# Altium PCB 10515.0462_全联供主板(2拼版)_V1.0.PcbDoc (part 4 of 18)
Units mm, origin at the board's own origin, x right, y up, seen from the top; angles counter-clockwise.
Board outline 282 x 198 mm, 2 copper layers (Top Layer, Bottom Layer); 716 components, 0 nets, 2364 pads, 1800 vias.
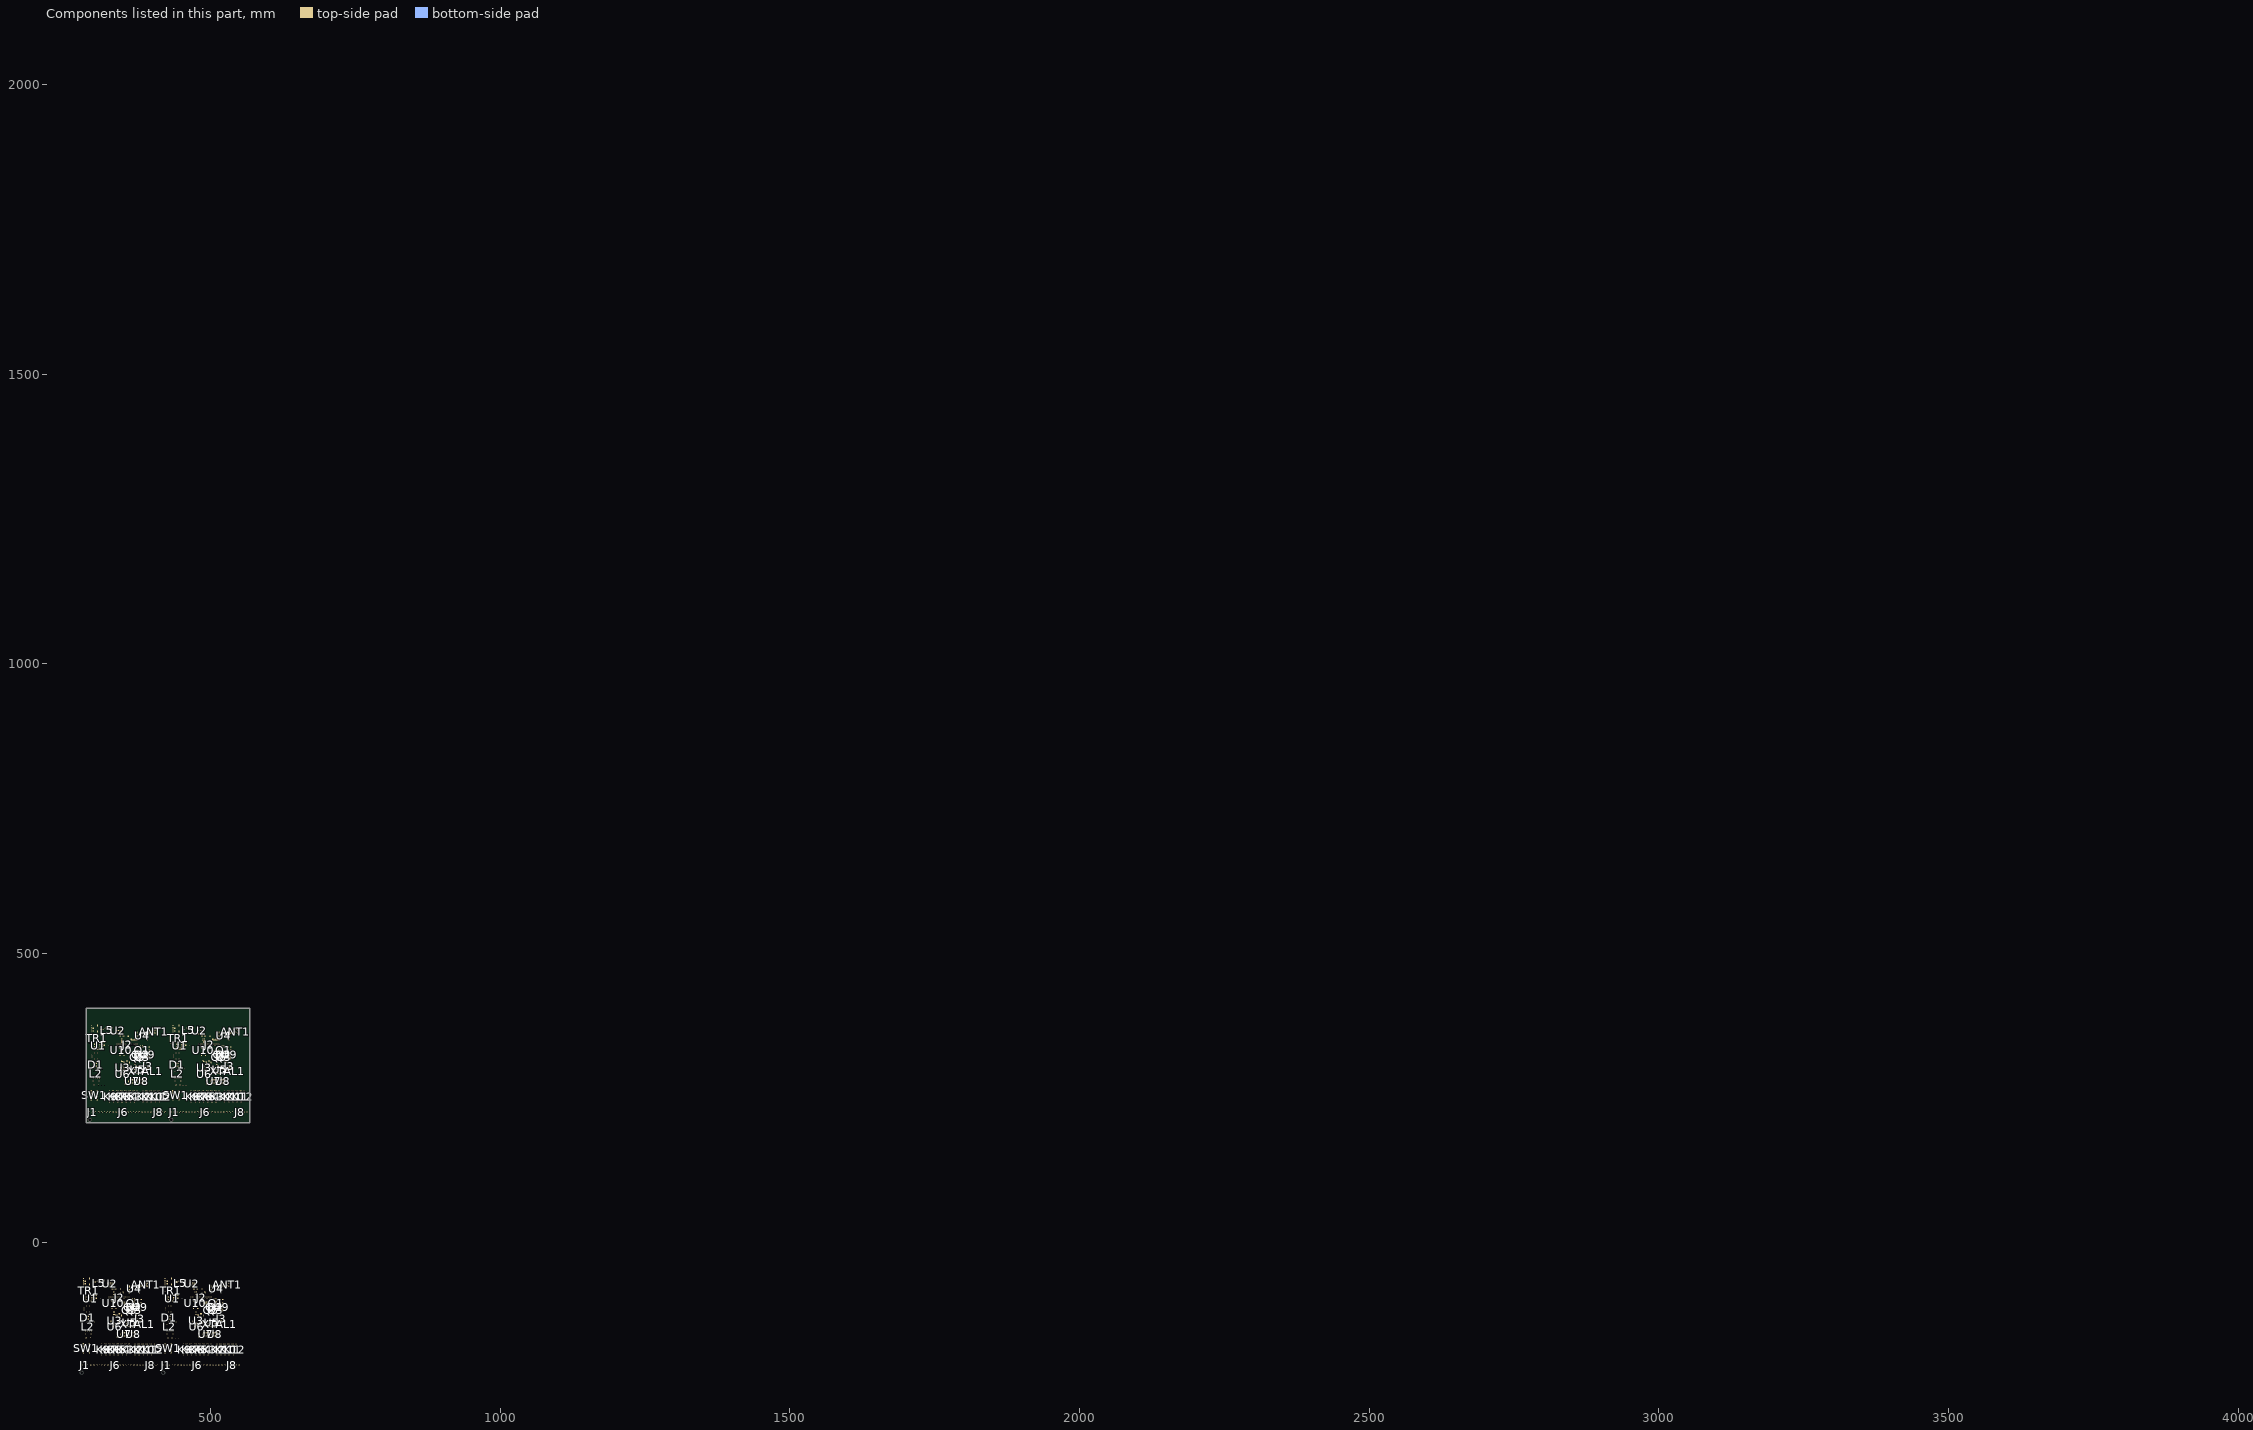
[diagram p4: the components of this part, seen from the top]

## Via types
v1: diameter 0.7, hole 0.4, Top Layer to Bottom Layer, tented both sides, 1800 vias

## Nets (pads, with @x,y where several pads share a name; then routed paths per layer and width w, separated by ;. In a path a pad name is that pad's centre, name@x,y a point inside that pad or via, vN(x,y) a via of type N, cw(c..) or ccw(c..) an arc to the next point about the centre after c; other vN are vias at no path point) (continued)
copper on no net: (continued)
  Top Layer w0.2: 384.544,295.781 ccw(c384.991,296.229) 384.991,295.596 ; 384.653,297.574 cw(c384.653,297.003) 385.057,297.407 ; 384.917,-74.482 385.033,-74.482 ; 385.228,311.309 cw(c384.705,310.786) 385.445,310.786 cw(c386.185,310.786) 385.662,311.309 ; 385.228,312.998 ccw(c384.705,312.475) 384.705,313.215 ccw(c384.705,313.955) 385.228,313.432 ; 385.297,295.69 cw(c385.792,295.69) 385.442,296.039 ; 385.437,322.933 cw(c384.697,322.194) 385.74,322.114 ; 385.629,320.162 cw(c385.106,319.639) 385.846,319.639 cw(c386.586,319.639) 386.063,320.162 ; 385.744,322.625 cw(c385.269,322.15) 385.939,322.099 ; 385.754,322.398 ccw(c385.714,322.523) 385.846,322.523 ccw(c385.978,322.523) 385.938,322.398 ; 386.411,301.303 387.841,301.303 ; 387.026,320.162 cw(c386.548,319.684) 387.224,319.684 ; 387.042,322.337 ccw(c386.66,322.777) 387.243,322.777 ccw(c387.826,322.777) 387.444,322.337 ; 387.224,319.594 cw(c388.028,319.594) 387.46,320.162 ; 387.587,301.086 ccw(c387.063,300.563) 387.063,301.303 ccw(c387.063,302.043) 387.587,301.52 ; 388.212,318.92 cw(c388.987,318.145) 389.077,319.238 ; 388.517,319.226 cw(c389.034,318.709) 389.094,319.437 ; 388.793,319.294 ccw(c388.674,319.258) 388.674,319.382 ; 388.793,319.471 cw(c388.674,319.507) 388.674,319.382 ; 388.819,295.758 ccw(c388.711,296.025) 388.999,296.025 ; v1@388.916,316.625 cw(c388.554,316.235) 389.086,316.235 ; 388.999,295.193 388.999,296.025 ; v1(389.086,316.808) 389.086,316.235 ; 389.086,319.382 388.673,319.382 ; 389.178,295.758 cw(c389.287,296.025) 388.999,296.025 ; v1@389.256,316.625 ccw(c389.618,316.235) 389.086,316.235 ; 389.53,301.341 389.492,301.303 391.277,301.303 ; 389.53,302.947 389.53,303.074 ; 389.656,348.23 cw(c392.417,348.23) 390.465,350.183 ; 389.656,348.713 cw(c391.935,348.713) 390.323,350.324 ; 389.656,349.196 cw(c391.452,349.196) 390.182,350.465 ; 389.656,349.678 cw(c390.969,349.678) 390.04,350.607 ; 389.747,301.086 cw(c390.27,300.563) 390.27,301.303 cw(c390.27,302.043) 389.747,301.52 ; 389.788,350.395 cw(c389.29,350.305) 389.648,349.948 cw(c389.986,349.609) 390.093,350.076 ; 389.833,352.27 ccw(c389.499,352.082) 389.499,352.465 ; 389.833,352.661 cw(c389.499,352.849) 389.499,352.465 ; 389.899,354.183 ccw(c389.216,353.5) 389.216,354.465 ccw(c389.216,355.431) 389.899,354.748 ; 389.899,356.183 ccw(c389.216,355.5) 389.216,356.465 ccw(c389.216,357.431) 389.899,356.748 ; 390.632,352.465 389.499,352.465 ; 390.632,354.465 389.213,354.465 388.767,354.019 388.767,347.288 388.132,346.653 352.572,346.653 352.11,346.191 352.11,345.175 ; 391.023,301.086 ccw(c390.499,300.563) 390.499,301.303 ccw(c390.499,302.043) 391.023,301.52 ; 391.312,302.838 391.312,302.897 391.312,303.024 ; 391.966,317.476 cw(c391.443,316.953) 392.183,316.953 cw(c392.923,316.953) 392.4,317.476 ; 392.183,317.731 392.183,316.415 391.815,316.046 389.275,316.046 389.086,316.235 ; 393.515,317.476 cw(c392.992,316.953) 393.731,316.953 cw(c394.471,316.953) 393.948,317.476 ; 394.558,303.251 ccw(c393.705,304.104) 394.912,304.104 ccw(c396.119,304.104) 395.265,303.251 ; 394.658,304.951 cw(c394.044,304.338) 394.912,304.338 ; 394.7,303.109 ccw(c394.188,303.621) 394.912,303.621 ccw(c395.636,303.621) 395.124,303.109 ; 394.912,303.024 394.912,305.078 ; 394.912,303.217 cw(c397.363,303.217) 395.63,304.951 ; 394.912,303.7 cw(c396.881,303.7) 395.488,305.092 ; 394.912,304.183 cw(c396.398,304.183) 395.347,305.234 ; 394.912,304.666 cw(c395.915,304.666) 395.206,305.375 ; 395.042,364.769 395.182,364.628 395.208,364.654 ; v1@396.046,362.114 v1@396.26,362.114 ; 398.546,362.114 398.661,362.114 ; 464.372,-67.652 464.436,-67.652 ; 464.712,-72.355 ccw(c464.616,-72.151) 464.841,-72.151 ; 464.801,-72.683 cw(c465.172,-72.444) 464.86,-72.132 ; 464.841,-72.632 464.841,-72.151 ; 464.969,-72.575 cw(c465.386,-72.307) 465.036,-71.957 ; 464.971,-72.355 cw(c465.066,-72.151) 464.841,-72.151 ; 465.137,-72.467 cw(c465.6,-72.17) 465.211,-71.781 ; 465.458,-70.292 466.105,-70.292 466.481,-70.668 466.481,-71.4 466.1,-71.781 465.211,-71.781 ; 465.458,-68.992 466.095,-68.992 ; 465.858,-70.392 cw(c465.858,-71.23) 466.451,-70.638 ; 465.858,-70.192 cw(c465.858,-70.547) 466.109,-70.296 ; 465.891,-68.898 ccw(c466.015,-68.549) 466.276,-68.811 ; 465.91,-70.378 cw(c466.045,-70.599) 466.229,-70.416 ; 465.929,-70.363 cw(c466.099,-70.534) 466.099,-70.292 cw(c466.099,-70.051) 465.929,-70.222 ; 465.93,-69.062 cw(c466.095,-69.223) 466.095,-68.992 ; 465.93,-68.922 ccw(c466.095,-68.762) 466.095,-68.992 ; 466.06,-67.869 cw(c465.537,-68.392) 466.277,-68.392 cw(c467.016,-68.392) 466.493,-67.869 ; 466.277,-67.652 466.277,-68.811 ; v1@467.024,-70.292 468.204,-70.292 ; v1@467.166,-70.434 cw(c467.508,-70.776) 467.508,-70.292 ; v1@467.166,-70.08 ccw(c467.678,-69.568) 467.678,-70.292 ; 467.239,-68.483 ccw(c466.408,-67.652) 467.583,-67.652 ; 467.58,-68.142 ccw(c467.09,-67.652) 467.783,-67.652 ; 467.674,-68.048 cw(c467.889,-68.263) 467.889,-67.959 ; 467.733,-70.363 ccw(c467.563,-70.534) 467.563,-70.292 ccw(c467.563,-70.051) 467.733,-70.222 ; 467.733,-69.713 ccw(c467.563,-69.884) 467.563,-69.642 ccw(c467.563,-69.401) 467.733,-69.572 ; 467.928,-67.652 467.928,-67.795 467.116,-68.606 467.116,-69.368 467.39,-69.642 468.204,-69.642 469.503,-69.642 470.519,-70.658 ; 468.243,-136.468 468.274,-136.499 ; 468.675,-69.713 cw(c468.845,-69.884) 468.845,-69.642 cw(c468.845,-69.401) 468.675,-69.572 ; 469.786,-134.848 469.817,-134.848 469.892,-134.923 ; 469.817,-136.499 470.123,-136.193 ; 469.974,-70.112 cw(c469.367,-70.718) 470.225,-70.718 ; 470.091,-70.23 ccw(c470.531,-69.79) 470.531,-70.412 ; 470.277,-68.852 470.412,-68.987 470.531,-69.106 ; 478,368.943 478.065,368.943 ; 478.34,364.241 ccw(c478.245,364.445) 478.47,364.445 ; 478.43,363.913 cw(c478.801,364.151) 478.489,364.463 ; 478.46,-146.854 483.91,-146.854 484.314,-146.449 484.314,-140.308 484.601,-140.021 490.899,-140.021 ; 478.46,-145.584 483.402,-145.584 483.914,-145.071 483.914,-142.393 ; 478.47,363.963 478.47,364.445 ; 478.598,364.021 cw(c479.015,364.289) 478.664,364.639 ; 478.6,364.241 cw(c478.695,364.445) 478.47,364.445 ; 478.766,364.129 cw(c479.228,364.426) 478.84,364.814 ; 479.087,366.303 479.734,366.303 480.11,365.927 480.11,365.195 479.729,364.814 478.84,364.814 478.47,364.445 ; 479.087,367.603 479.724,367.603 ; 479.481,-91.369 479.481,-91.42 ; 479.487,366.203 cw(c479.487,365.365) 480.079,365.958 ; 479.487,366.403 cw(c479.487,366.048) 479.738,366.299 ; 479.52,367.698 ccw(c479.643,368.047) 479.905,367.785 ; 479.539,366.218 cw(c479.674,365.996) 479.857,366.18 ; 479.557,366.233 cw(c479.728,366.062) 479.728,366.303 cw(c479.728,366.545) 479.557,366.374 ; 479.558,367.534 cw(c479.724,367.373) 479.724,367.603 ; 479.558,367.673 ccw(c479.724,367.834) 479.724,367.603 ; 479.57,-146.998 cw(c479.919,-147.348) 479.919,-146.854 cw(c479.919,-146.359) 479.57,-146.709 ; 479.57,-145.728 cw(c479.919,-146.078) 479.919,-145.584 cw(c479.919,-145.089) 479.57,-145.439 ; 479.689,368.727 cw(c479.166,368.204) 479.905,368.204 cw(c480.645,368.204) 480.122,368.727 ; 479.905,368.943 479.905,367.785 ; v1@480.075,-108.463 ccw(c479.621,-108.425) 479.943,-108.103 ; 480.128,-93.967 cw(c480.738,-94.576) 480.805,-93.717 ; v1@480.303,-108.235 cw(c480.265,-107.781) 479.943,-108.103 ; 480.31,-93.785 ccw(c480.043,-93.517) 480.421,-93.517 ; v1(480.324,-108.484) 479.943,-108.103 ; 480.538,-96.34 cw(c479.252,-97.627) 481.071,-97.627 ; v1@480.653,366.303 481.833,366.303 ; 480.68,-96.199 cw(c479.734,-97.144) 481.071,-97.144 ; v1@480.795,366.162 cw(c481.136,365.82) 481.136,366.303 ; v1@480.795,366.515 ccw(c481.306,367.027) 481.306,366.303 ; 480.821,-96.057 cw(c480.217,-96.661) 481.071,-96.661 ; 480.821,-95.795 481.071,-96.046 481.071,-108.469 481.428,-108.825 492.314,-108.825 492.903,-109.414 492.903,-126.264 492.914,-126.264 493.278,-126.629 498.609,-126.629 499.272,-127.291 499.272,-131.621 ; 480.821,-93.255 480.821,-93.274 479.943,-94.152 479.943,-108.103 ; 480.867,368.112 ccw(c480.036,368.943) 481.212,368.943 ; 480.918,-134.923 480.993,-134.848 ; 481.209,368.454 ccw(c480.719,368.943) 481.412,368.943 ; 481.303,368.548 cw(c481.518,368.333) 481.518,368.637 ; 481.362,366.233 ccw(c481.191,366.062) 481.191,366.303 ccw(c481.191,366.545) 481.362,366.374 ; 481.362,366.883 ccw(c481.191,366.712) 481.191,366.953 ccw(c481.191,367.195) 481.362,367.024 ; v1@481.544,-107.545 ccw(c481.118,-107.118) 481.721,-107.118 ccw(c482.325,-107.118) v1@481.898,-107.545 ; 481.556,368.943 481.556,368.801 480.745,367.989 480.745,367.227 481.019,366.953 481.833,366.953 483.132,366.953 484.148,365.938 ; v1(481.721,-110.389) 481.721,-110.77 ; v1(481.721,-107.722) 481.721,-90.958 482.337,-90.342 515.865,-90.342 516.538,-89.669 516.538,-84.462 516.87,-84.13 ; 481.872,300.128 481.903,300.097 ; 482.303,366.883 cw(c482.474,366.712) 482.474,366.953 cw(c482.474,367.195) 482.303,367.024 ; v1@482.36,-107.214 ccw(c481.757,-107.214) 482.183,-106.787 ccw(c482.61,-106.36) v1@482.61,-106.964 ; v1(482.61,-107.214) 482.121,-106.725 482.121,-92.101 482.121,-91.339 482.718,-90.742 516.354,-90.742 517.027,-90.069 517.027,-86.64 517.537,-86.13 518.003,-86.13 ; v1(482.737,-110.389) 482.864,-110.262 491.269,-110.262 491.703,-110.697 491.703,-132.646 491.701,-132.648 491.701,-133.85 491.703,-133.852 491.703,-134.573 492.152,-135.021 495.372,-135.021 ; v1@482.772,-110.424 cw(c483.164,-110.816) 483.164,-110.262 ; v1@482.914,-110.566 cw(c483.647,-111.299) 483.647,-110.262 ; 483.078,-96.34 cw(c482.395,-97.023) 483.361,-97.023 cw(c484.327,-97.023) 483.644,-96.34 ; v1@483.122,-91.593 cw(c482.519,-91.593) 482.945,-92.02 cw(c483.372,-92.447) v1@483.372,-91.843 ; v1@483.195,-107.545 ccw(c482.769,-107.118) 483.372,-107.118 ccw(c483.976,-107.118) v1@483.549,-107.545 ; 483.361,-95.795 483.361,-106.314 484.022,-106.975 484.022,-107.864 484.584,-108.425 492.966,-108.425 493.303,-108.763 493.303,-125.756 493.684,-126.137 498.999,-126.137 499.772,-126.91 499.772,-131.621 ; 483.361,-93.255 484.161,-94.055 484.161,-106.467 484.422,-106.728 484.422,-107.698 484.749,-108.025 493.131,-108.025 493.703,-108.597 493.703,-125.292 494.04,-125.629 499.499,-125.629 500.272,-126.402 500.272,-131.621 ; v1(483.372,-107.722) 483.372,-106.96 482.521,-106.109 482.521,-92.444 v1(483.372,-91.593) ; 483.395,-93.715 cw(c483.515,-94.417) 484.019,-93.913 ; 483.415,301.748 483.446,301.748 483.52,301.673 ; 483.446,300.097 483.752,300.403 ; 483.602,366.483 cw(c482.996,365.877) 483.853,365.877 ; 483.72,366.366 ccw(c484.16,366.806) 484.16,366.183 ; v1@483.753,-112.036 cw(c483.753,-112.64) 484.18,-112.213 cw(c484.607,-111.786) v1@484.003,-111.786 ; v1(483.753,-111.786) 484.403,-112.436 485.658,-112.436 485.908,-112.186 490.249,-112.186 490.503,-112.44 490.503,-132.149 490.501,-132.151 490.501,-134.347 490.503,-134.349 490.503,-135.139 491.886,-136.521 495.372,-136.521 ; 483.761,-93.517 ccw(c484.094,-93.517) 483.859,-93.753 ; 483.906,367.744 484.041,367.608 484.16,367.49 ; 483.914,-141.134 483.914,-142.393 ; v1@484.465,-92.278 cw(c484.039,-92.705) 484.642,-92.705 cw(c485.246,-92.705) v1@484.819,-92.278 ; v1(484.642,-92.101) 484.642,-106.383 485.101,-106.842 ; v1@484.973,-107.164 ccw(c484.665,-106.856) 485.101,-106.856 ; v1(485.023,-111.786) 490.738,-111.786 490.903,-111.951 490.903,-132.315 490.901,-132.317 490.901,-134.181 490.903,-134.183 490.903,-134.973 491.951,-136.021 495.372,-136.021 ; v1(485.15,-107.341) 485.101,-107.292 485.101,-106.842 ; v1@485.2,-111.963 cw(c485.627,-112.39) 485.627,-111.786 cw(c485.627,-111.182) v1@485.2,-111.609 ; 485.212,-93.944 cw(c485.778,-94.51) 485.876,-93.716 ; v1@485.268,-107.121 cw(c485.417,-106.842) 485.101,-106.842 ; 485.403,-93.753 ccw(c485.168,-93.517) 485.501,-93.517 ; 485.617,-136.435 485.642,-136.461 ; 485.618,-96.34 cw(c484.935,-97.023) 485.901,-97.023 cw(c486.867,-97.023) 486.184,-96.34 ; 485.901,-95.795 485.901,-106.441 486.686,-107.225 494.179,-107.225 494.503,-107.55 494.503,-124.403 494.929,-124.829 500.461,-124.829 501.272,-125.64 501.272,-131.621 ; 485.901,-93.255 485.054,-94.103 485.054,-106.228 486.451,-107.625 493.69,-107.625 494.103,-108.039 494.103,-124.911 494.421,-125.229 499.98,-125.229 500.772,-126.021 500.772,-131.621 ; v1@486.293,-112.929 v1(486.547,-112.929) 489.468,-112.929 490.103,-113.564 490.103,-131.984 490.101,-131.986 490.101,-134.512 490.103,-134.514 490.103,-135.386 491.739,-137.021 495.372,-137.021 ; v1@486.678,-106.452 ccw(c486.075,-106.452) 486.501,-106.025 ccw(c486.928,-105.598) v1@486.928,-106.202 ; v1@486.724,-113.106 cw(c487.151,-113.533) 487.151,-112.929 cw(c487.151,-112.325) v1@486.724,-112.752 ; v1@486.751,-92.278 cw(c486.325,-92.705) 486.928,-92.705 cw(c487.532,-92.705) v1@487.105,-92.278 ; v1(486.928,-106.452) 486.42,-105.944 486.42,-97.17 486.928,-96.662 v1(486.928,-92.101) ; 487.102,-136.461 487.127,-136.461 ; 487.187,-138.115 cw(c486.504,-138.798) 487.47,-138.798 cw(c488.436,-138.798) 487.753,-138.115 ; 487.47,-137.832 487.47,-138.848 487.654,-139.032 495.361,-139.032 495.372,-139.021 ; 488.436,-153.924 ccw(c488.009,-153.497) 488.613,-153.497 ccw(c489.217,-153.497) 488.79,-153.924 ; 488.507,-136.097 488.833,-136.424 490.507,-136.424 491.604,-137.521 495.372,-137.521 ; 488.613,-154.85 488.613,-150.278 489.267,-149.624 497.757,-149.624 498.272,-149.109 498.272,-143.921 ; 488.897,-105.537 cw(c488.374,-106.06) 489.114,-106.06 cw(c489.854,-106.06) 489.331,-105.537 ; 488.994,-137.832 488.994,-138.285 489.341,-138.632 494.118,-138.632 494.229,-138.521 495.372,-138.521 ; 489.058,-136.652 cw(c489.609,-137.203) 489.609,-136.424 ; 489.058,-136.219 ccw(c489.554,-135.723) 489.554,-136.424 ; 489.114,-105.32 489.114,-106.471 489.468,-106.825 494.515,-106.825 494.903,-107.214 494.903,-124.105 495.227,-124.429 501.069,-124.429 501.772,-125.132 501.772,-131.621 ; 489.114,-103.669 v1@489.756,-103.669 ; 489.399,-103.85 cw(c489.756,-104.111) v1@489.756,-103.669 ; 489.399,-103.489 ccw(c489.756,-103.228) v1@489.756,-103.669 ; 489.706,-153.924 ccw(c489.279,-153.497) 489.883,-153.497 ccw(c490.487,-153.497) 490.06,-153.924 ; v1@489.706,-103.846 ccw(c489.279,-104.273) 489.279,-103.669 ccw(c489.279,-103.066) v1@489.706,-103.493 ; 489.883,-154.85 489.883,-150.786 490.645,-150.024 498.138,-150.024 498.772,-149.39 498.772,-143.921 ; 490.682,-141.238 ccw(c490.159,-140.715) 490.899,-140.715 ccw(c491.639,-140.715) 491.116,-141.238 ; 490.707,-138.021 495.372,-138.021 ; 490.899,-141.492 490.899,-140.021 ; 490.976,-153.924 ccw(c490.549,-153.497) 491.153,-153.497 ccw(c491.757,-153.497) 491.33,-153.924 ; 491.153,-154.85 491.153,-151.167 491.845,-150.475 498.703,-150.475 499.272,-149.906 499.272,-143.921 ; 492.089,289.742 497.539,289.742 497.943,290.146 497.943,296.287 498.229,296.574 504.528,296.574 ; 492.089,291.012 497.031,291.012 497.543,291.524 497.543,294.202 ; 492.246,-153.924 ccw(c491.819,-153.497) 492.423,-153.497 ccw(c493.027,-153.497) 492.6,-153.924 ; 492.423,-154.85 492.423,-151.421 492.969,-150.875 499.192,-150.875 499.772,-150.295 499.772,-143.921 ; 492.46,-105.537 cw(c491.937,-106.06) 492.677,-106.06 cw(c493.417,-106.06) 492.894,-105.537 ; 492.632,-101.941 v1@493.262,-101.941 ; 492.657,-141.49 492.727,-141.49 ; 492.677,-105.32 492.677,-106.078 493.024,-106.425 495.03,-106.425 495.303,-106.699 495.303,-123.724 495.303,-123.768 495.564,-124.029 501.55,-124.029 502.272,-124.751 502.272,-131.621 ; 492.677,-103.669 v1(493.439,-103.669) ; 492.727,-143.141 493.464,-143.141 ; 492.92,-102.118 cw(c493.262,-102.36) v1@493.262,-101.941 ; 492.92,-101.765 ccw(c493.262,-101.523) v1@493.262,-101.941 ; 492.935,-103.883 cw(c493.439,-104.371) v1(493.439,-103.669) ; 492.935,-103.456 ccw(c493.439,-102.968) v1(493.439,-103.669) ; 492.944,-143.357 cw(c493.464,-143.875) 493.464,-143.141 ; 492.944,-142.925 ccw(c493.464,-142.407) 493.464,-143.141 ; 493.11,345.226 493.11,345.175 ; 493.199,289.597 cw(c493.548,289.247) 493.548,289.742 cw(c493.548,290.236) 493.199,289.887 ; 493.199,290.867 cw(c493.548,290.517) 493.548,291.012 cw(c493.548,291.506) 493.199,291.157 ; v1@493.212,-102.118 ccw(c492.785,-102.545) 492.785,-101.941 ccw(c492.785,-101.338) v1@493.212,-101.765 ; v1@493.262,-103.846 ccw(c492.835,-104.273) 492.835,-103.669 ccw(c492.835,-103.066) v1@493.262,-103.493 ; 493.516,-153.924 ccw(c493.089,-153.497) 493.693,-153.497 ccw(c494.297,-153.497) 493.87,-153.924 ; 493.521,-93.917 cw(c493.521,-95.516) 494.651,-94.386 cw(c495.781,-93.255) 494.183,-93.255 ; 493.521,-93.717 cw(c493.521,-94.833) 494.31,-94.044 cw(c495.098,-93.255) 493.983,-93.255 ; 493.521,-93.255 494.802,-94.537 494.802,-98.324 495.075,-98.597 498.485,-98.597 498.823,-98.935 498.823,-99.805 499.12,-100.102 512.328,-100.102 512.709,-100.483 512.709,-113.564 513.217,-114.072 ; 493.693,-154.85 493.693,-151.929 494.347,-151.275 499.554,-151.275 500.272,-150.557 500.272,-143.921 ; v1@493.704,328.132 ccw(c493.25,328.17) 493.572,328.492 ccw(c493.894,328.815) v1@493.932,328.361 ; 493.757,342.629 cw(c494.367,342.019) 494.434,342.879 ; v1@493.786,-81.56 496.834,-81.56 497.45,-81.56 497.704,-81.306 497.704,-72.784 498.358,-72.13 500.303,-72.13 ; v1@493.913,-141.021 495.372,-141.021 ; 493.939,342.811 ccw(c493.672,343.078) 494.05,343.078 ; v1(493.953,328.111) 493.572,328.492 493.572,342.443 494.45,343.321 494.45,343.34 ; 494.167,340.255 cw(c492.88,338.969) 494.7,338.969 ; v1(494.294,-82.322) 494.548,-82.068 496.58,-82.068 497.85,-82.068 498.104,-81.814 498.104,-81.179 498.104,-74.575 498.549,-74.13 500.303,-74.13 ; 494.308,340.397 cw(c493.363,339.451) 494.7,339.451 ; 494.389,-141.663 cw(c494.707,-141.981) 494.707,-141.531 ; 494.443,-141.61 cw(c494.646,-141.813) 494.705,-141.531 ; 494.45,340.538 cw(c493.846,339.934) 494.7,339.934 ; 494.45,340.8 494.7,340.55 494.7,328.126 495.056,327.77 505.943,327.77 506.532,327.181 506.532,310.331 506.542,310.331 506.907,309.967 512.238,309.967 512.901,309.304 512.901,304.974 ; 494.547,301.673 494.622,301.748 ; 494.786,-153.924 ccw(c494.359,-153.497) 494.963,-153.497 ccw(c495.567,-153.497) 495.14,-153.924 ; v1@494.929,-82.957 497.469,-82.957 498.358,-82.957 498.612,-82.703 498.612,-80.384 498.866,-80.13 ; 494.963,-154.85 494.963,-152.183 495.471,-151.675 500.043,-151.675 500.772,-150.946 500.772,-143.921 ; v1@495.106,-83.134 cw(c495.533,-83.561) 495.533,-82.957 cw(c495.533,-82.353) v1@495.106,-82.78 ; v1@495.173,329.05 ccw(c494.746,329.477) 495.35,329.477 ccw(c495.953,329.477) v1@495.527,329.05 ; v1(495.35,326.206) 495.35,325.825 ; v1(495.35,328.873) 495.35,345.637 495.966,346.253 529.494,346.253 530.167,346.926 530.167,352.133 530.499,352.465 ; 495.372,-141.521 494.531,-141.521 493.82,-142.232 493.82,-142.785 493.464,-143.141 ; 495.372,-140.521 504.768,-140.521 505.055,-140.234 505.055,-133.41 505.993,-132.472 506.979,-132.472 v1(507.629,-133.122) ; 495.372,-140.021 490.899,-140.021 ; 495.372,-139.521 484.212,-139.521 483.914,-139.819 483.914,-142.393 ; 495.372,-135.521 492.017,-135.521 491.303,-134.808 491.303,-134.017 491.301,-134.015 491.301,-132.483 491.303,-132.481 491.303,-111.211 491.117,-111.024 483.021,-111.024 483.006,-111.039 481.99,-111.039 481.721,-110.77 ; 495.372,-134.521 492.414,-134.521 492.103,-134.211 492.103,-133.686 492.101,-133.684 492.101,-132.814 492.103,-132.812 492.103,-110.322 491.407,-109.625 479.63,-109.625 479.081,-109.077 479.081,-89.915 479.562,-89.434 515.122,-89.434 515.63,-88.926 515.63,-80.798 516.298,-80.13 518.003,-80.13 ; 495.372,-134.021 492.781,-134.021 492.503,-133.744 492.503,-133.52 492.501,-133.518 492.501,-132.98 492.503,-132.978 492.503,-109.814 491.915,-109.225 479.796,-109.225 479.481,-108.911 479.481,-91.42 ; 495.593,-96.264 cw(c494.463,-97.394) 496.061,-97.394 cw(c497.659,-97.394) 496.529,-96.264 ; 495.734,-96.122 cw(c494.946,-96.911) 496.061,-96.911 cw(c497.176,-96.911) 496.388,-96.122 ; 495.882,-105.537 cw(c495.359,-106.06) 496.099,-106.06 cw(c496.839,-106.06) 496.316,-105.537 ; 495.915,-129.971 cw(c495.392,-130.494) 496.131,-130.494 cw(c496.871,-130.494) 496.348,-129.971 ; v1@495.989,329.381 ccw(c495.385,329.381) 495.812,329.808 ccw(c496.239,330.235) v1@496.239,329.631 ; 496.056,-153.924 ccw(c495.629,-153.497) 496.233,-153.497 ccw(c496.837,-153.497) 496.41,-153.924 ; 496.061,-95.795 496.061,-97.932 496.326,-98.197 498.745,-98.197 